# KiCad board AC-K1-v1.kicad_pcb
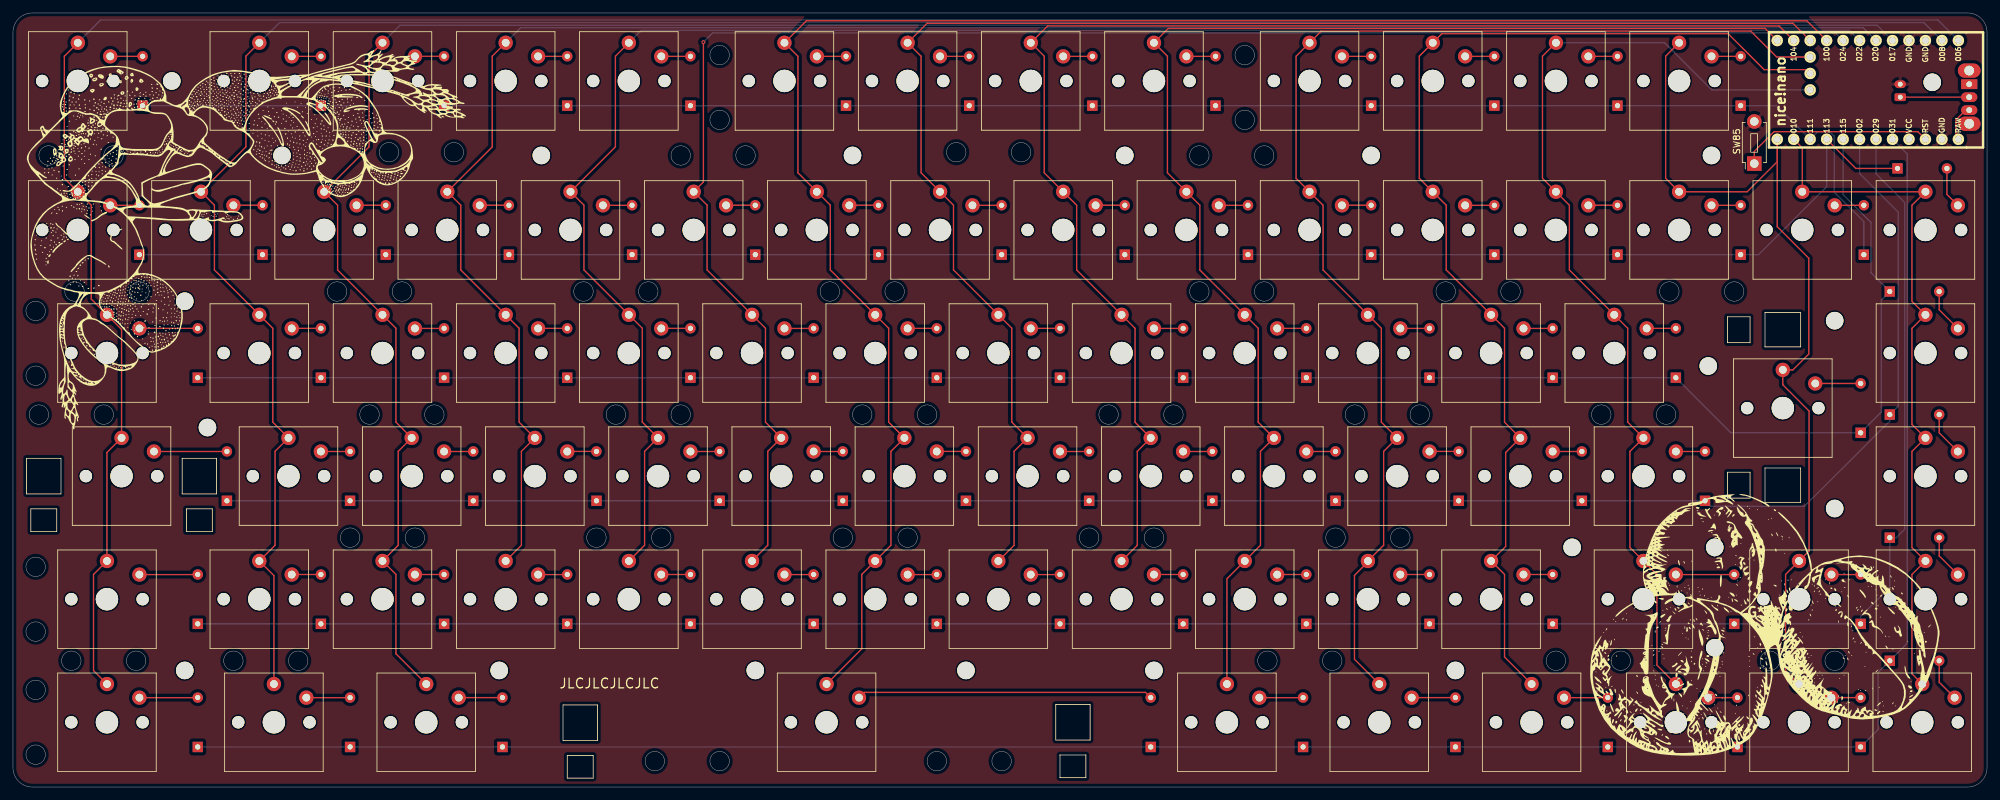
[diagram p0: board, top side]
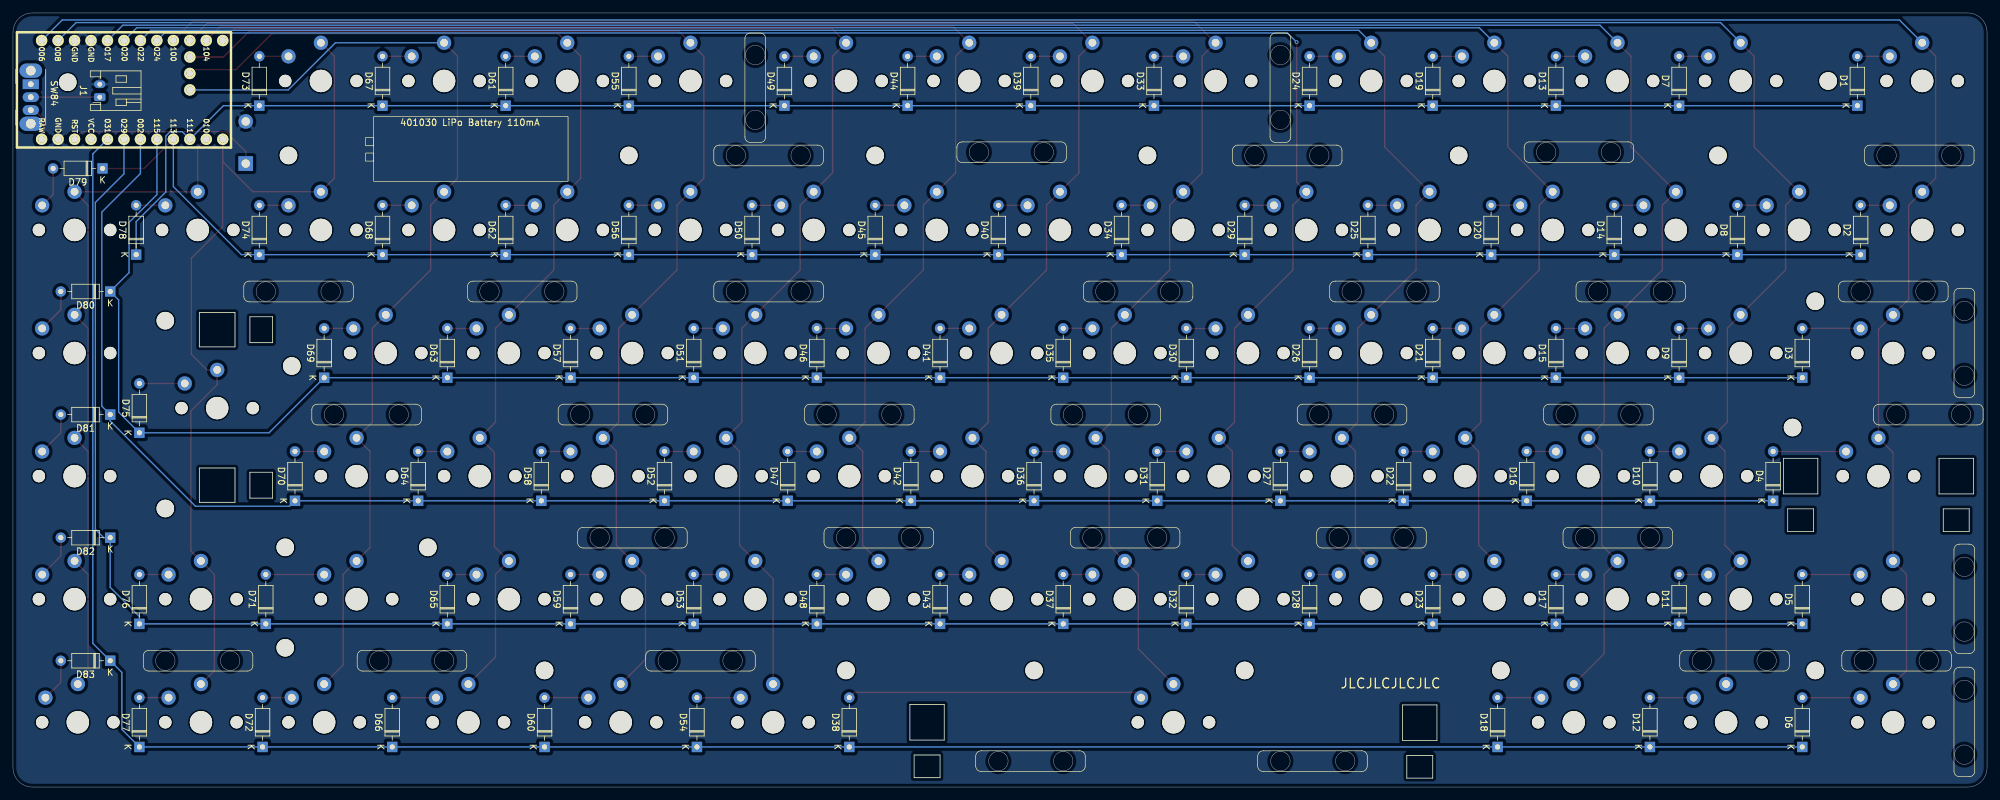
[diagram p1: board, bottom side, seen from below]

Outline 304.5 x 119.5 mm; copper layers: Top, Bottom. Coordinates in mm from the lower left corner of the outline.
Outline path: 0,116.5 0,3 arc(0.88,0.88) 3,0 301.5,0 arc(303.62,0.88) 304.5,3 304.5,116.5 arc(303.62,118.62) 301.5,119.5 3,119.5 arc(0.88,118.62) 0,116.5

## Placement (name value [footprint] x y rotation side)
1  -  [MountingHole_2.7mm_M2.5_with_spacer]  24.5 109 0 top
2  -  [MountingHole_2.7mm_M2.5_with_spacer]  296.05 108.8 0 top
4  -  [MountingHole_2.7mm_M2.5_with_spacer]  41.5 97.5 0 top
5  -  [MountingHole_2.7mm_M2.5_with_spacer]  81.5 97.5 0 top
6  -  [MountingHole_2.7mm_M2.5_with_spacer]  129.5 97.5 0 top
7  -  [MountingHole_2.7mm_M2.5_with_spacer]  171.5 97.5 0 top
8  -  [MountingHole_2.7mm_M2.5_with_spacer]  209.5 97.5 0 top
9  -  [MountingHole_2.7mm_M2.5_with_spacer]  262 97.5 0 top
10  -  [MountingHole_2.7mm_M2.5_with_spacer]  26.5 75 0 top
11  -  [MountingHole_2.7mm_M2.5_with_spacer]  281 72 0 top
13  -  [MountingHole_2.7mm_M2.5_with_spacer]  261.5 65 0 top
14  -  [MountingHole_2.7mm_M2.5_with_spacer]  30 55.5 0 top
15  -  [MountingHole_2.7mm_M2.5_with_spacer]  281 43 0 top
16  -  [MountingHole_2.7mm_M2.5_with_spacer]  240.5 37 0 top
18  -  [MountingHole_2.7mm_M2.5_with_spacer]  262.5 21.5 0 top
19  -  [MountingHole_2.7mm_M2.5_with_spacer]  75 18 0 top
20  -  [MountingHole_2.7mm_M2.5_with_spacer]  114.5 18 0 top
21  -  [MountingHole_2.7mm_M2.5_with_spacer]  147 18 0 top
22  -  [MountingHole_2.7mm_M2.5_with_spacer]  176 18 0 top
23  -  [MountingHole_2.7mm_M2.5_with_spacer]  222.5 18 0 top
27  -  [MountingHole_2.7mm_M2.5_with_spacer]  262.5 37 0 top
50  -  [MountingHole_2.7mm_M2.5_with_spacer]  26.5 18 0 top
Battery1  -  [401030 Lipo Battery Size]  238.88 94 180 bottom
D1  1N4148  [D_DO-35_SOD27_P7.62mm_Horizontal]  20 105.19 90 bottom
D2  1N4148  [D_DO-35_SOD27_P7.62mm_Horizontal]  19.5 82.19 90 bottom
D3  1N4148  [D_DO-35_SOD27_P7.62mm_Horizontal]  28.5 63.19 90 bottom
D4  1N4148  [D_DO-35_SOD27_P7.62mm_Horizontal]  33 44.19 90 bottom
D5  1N4148  [D_DO-35_SOD27_P7.62mm_Horizontal]  28.5 25.19 90 bottom
D6  1N4148  [D_DO-35_SOD27_P7.62mm_Horizontal]  28.5 6.19 90 bottom
D7  1N4148  [D_DO-35_SOD27_P7.62mm_Horizontal]  47.5 105.19 90 bottom
D8  1N4148  [D_DO-35_SOD27_P7.62mm_Horizontal]  38.5 82.19 90 bottom
D9  1N4148  [D_DO-35_SOD27_P7.62mm_Horizontal]  47.5 63.19 90 bottom
D10  1N4148  [D_DO-35_SOD27_P7.62mm_Horizontal]  52 44.19 90 bottom
D11  1N4148  [D_DO-35_SOD27_P7.62mm_Horizontal]  47.5 25.19 90 bottom
D12  1N4148  [D_DO-35_SOD27_P7.62mm_Horizontal]  52 6.19 90 bottom
D13  1N4148  [D_DO-35_SOD27_P7.62mm_Horizontal]  66.5 105.19 90 bottom
D14  1N4148  [D_DO-35_SOD27_P7.62mm_Horizontal]  57.5 82.19 90 bottom
D15  1N4148  [D_DO-35_SOD27_P7.62mm_Horizontal]  66.5 63.19 90 bottom
D16  1N4148  [D_DO-35_SOD27_P7.62mm_Horizontal]  71 44.19 90 bottom
D17  1N4148  [D_DO-35_SOD27_P7.62mm_Horizontal]  66.5 25.19 90 bottom
D18  1N4148  [D_DO-35_SOD27_P7.62mm_Horizontal]  75.5 6.19 90 bottom
D19  1N4148  [D_DO-35_SOD27_P7.62mm_Horizontal]  85.5 105.19 90 bottom
D20  1N4148  [D_DO-35_SOD27_P7.62mm_Horizontal]  76.5 82.19 90 bottom
D21  1N4148  [D_DO-35_SOD27_P7.62mm_Horizontal]  85.5 63.19 90 bottom
D22  1N4148  [D_DO-35_SOD27_P7.62mm_Horizontal]  90 44.19 90 bottom
D23  1N4148  [D_DO-35_SOD27_P7.62mm_Horizontal]  85.5 25.19 90 bottom
D24  1N4148  [D_DO-35_SOD27_P7.62mm_Horizontal]  104.5 105.19 90 bottom
D25  1N4148  [D_DO-35_SOD27_P7.62mm_Horizontal]  95.5 82.19 90 bottom
D26  1N4148  [D_DO-35_SOD27_P7.62mm_Horizontal]  104.5 63.19 90 bottom
D27  1N4148  [D_DO-35_SOD27_P7.62mm_Horizontal]  109 44.19 90 bottom
D28  1N4148  [D_DO-35_SOD27_P7.62mm_Horizontal]  104.5 25.19 90 bottom
D29  1N4148  [D_DO-35_SOD27_P7.62mm_Horizontal]  114.5 82.19 90 bottom
D30  1N4148  [D_DO-35_SOD27_P7.62mm_Horizontal]  123.5 63.19 90 bottom
D31  1N4148  [D_DO-35_SOD27_P7.62mm_Horizontal]  128 44.19 90 bottom
D32  1N4148  [D_DO-35_SOD27_P7.62mm_Horizontal]  123.5 25.19 90 bottom
D33  1N4148  [D_DO-35_SOD27_P7.62mm_Horizontal]  128.5 105.19 90 bottom
D34  1N4148  [D_DO-35_SOD27_P7.62mm_Horizontal]  133.5 82.19 90 bottom
D35  1N4148  [D_DO-35_SOD27_P7.62mm_Horizontal]  142.5 63.19 90 bottom
D36  1N4148  [D_DO-35_SOD27_P7.62mm_Horizontal]  147 44.19 90 bottom
D37  1N4148  [D_DO-35_SOD27_P7.62mm_Horizontal]  142.5 25.19 90 bottom
D38  1N4148  [D_DO-35_SOD27_P7.62mm_Horizontal]  175.5 6.19 90 bottom
D39  1N4148  [D_DO-35_SOD27_P7.62mm_Horizontal]  147.5 105.19 90 bottom
D40  1N4148  [D_DO-35_SOD27_P7.62mm_Horizontal]  152.5 82.19 90 bottom
D41  1N4148  [D_DO-35_SOD27_P7.62mm_Horizontal]  161.5 63.19 90 bottom
D42  1N4148  [D_DO-35_SOD27_P7.62mm_Horizontal]  166 44.19 90 bottom
D43  1N4148  [D_DO-35_SOD27_P7.62mm_Horizontal]  161.5 25.19 90 bottom
D44  1N4148  [D_DO-35_SOD27_P7.62mm_Horizontal]  166.5 105.19 90 bottom
D45  1N4148  [D_DO-35_SOD27_P7.62mm_Horizontal]  171.5 82.19 90 bottom
D46  1N4148  [D_DO-35_SOD27_P7.62mm_Horizontal]  180.5 63.19 90 bottom
D47  1N4148  [D_DO-35_SOD27_P7.62mm_Horizontal]  185 44.19 90 bottom
D48  1N4148  [D_DO-35_SOD27_P7.62mm_Horizontal]  180.5 25.19 90 bottom
D49  1N4148  [D_DO-35_SOD27_P7.62mm_Horizontal]  185.5 105.19 90 bottom
D50  1N4148  [D_DO-35_SOD27_P7.62mm_Horizontal]  190.5 82.19 90 bottom
D51  1N4148  [D_DO-35_SOD27_P7.62mm_Horizontal]  199.5 63.19 90 bottom
D52  1N4148  [D_DO-35_SOD27_P7.62mm_Horizontal]  204 44.19 90 bottom
D53  1N4148  [D_DO-35_SOD27_P7.62mm_Horizontal]  199.5 25.19 90 bottom
D54  1N4148  [D_DO-35_SOD27_P7.62mm_Horizontal]  199 6.19 90 bottom
D55  1N4148  [D_DO-35_SOD27_P7.62mm_Horizontal]  209.5 105.19 90 bottom
D56  1N4148  [D_DO-35_SOD27_P7.62mm_Horizontal]  209.5 82.19 90 bottom
D57  1N4148  [D_DO-35_SOD27_P7.62mm_Horizontal]  218.5 63.19 90 bottom
D58  1N4148  [D_DO-35_SOD27_P7.62mm_Horizontal]  223 44.19 90 bottom
D59  1N4148  [D_DO-35_SOD27_P7.62mm_Horizontal]  218.5 25.19 90 bottom
D60  1N4148  [D_DO-35_SOD27_P7.62mm_Horizontal]  222.5 6.19 90 bottom
D61  1N4148  [D_DO-35_SOD27_P7.62mm_Horizontal]  228.5 105.19 90 bottom
D62  1N4148  [D_DO-35_SOD27_P7.62mm_Horizontal]  228.5 82.19 90 bottom
D63  1N4148  [D_DO-35_SOD27_P7.62mm_Horizontal]  237.5 63.19 90 bottom
D64  1N4148  [D_DO-35_SOD27_P7.62mm_Horizontal]  242 44.19 90 bottom
D65  1N4148  [D_DO-35_SOD27_P7.62mm_Horizontal]  237.5 25.19 90 bottom
D66  1N4148  [D_DO-35_SOD27_P7.62mm_Horizontal]  246 6.19 90 bottom
D67  1N4148  [D_DO-35_SOD27_P7.62mm_Horizontal]  247.5 105.19 90 bottom
D68  1N4148  [D_DO-35_SOD27_P7.62mm_Horizontal]  247.5 82.19 90 bottom
D69  1N4148  [D_DO-35_SOD27_P7.62mm_Horizontal]  256.5 63.19 90 bottom
D70  1N4148  [D_DO-35_SOD27_P7.62mm_Horizontal]  261 44.19 90 bottom
D71  1N4148  [D_DO-35_SOD27_P7.62mm_Horizontal]  265.5 25.19 90 bottom
D72  1N4148  [D_DO-35_SOD27_P7.62mm_Horizontal]  266 6.19 90 bottom
D73  1N4148  [D_DO-35_SOD27_P7.62mm_Horizontal]  266.5 105.19 90 bottom
D74  1N4148  [D_DO-35_SOD27_P7.62mm_Horizontal]  266.5 82.19 90 bottom
D75  1N4148  [D_DO-35_SOD27_P7.62mm_Horizontal]  285 54.69 90 bottom
D76  1N4148  [D_DO-35_SOD27_P7.62mm_Horizontal]  285 25.19 90 bottom
D77  1N4148  [D_DO-35_SOD27_P7.62mm_Horizontal]  285 6.19 90 bottom
D78  1N4148  [D_DO-35_SOD27_P7.62mm_Horizontal]  285.5 82.19 90 bottom
D79  1N4148  [D_DO-35_SOD27_P7.62mm_Horizontal]  290.69 95.5 0 bottom
D80  1N4148  [D_DO-35_SOD27_P7.62mm_Horizontal]  289.5 76.5 0 bottom
D81  1N4148  [D_DO-35_SOD27_P7.62mm_Horizontal]  289.5 57.5 0 bottom
D82  1N4148  [D_DO-35_SOD27_P7.62mm_Horizontal]  289.5 38.5 0 bottom
D83  1N4148  [D_DO-35_SOD27_P7.62mm_Horizontal]  289.5 19.5 0 bottom
G***  LOGO  [LTdrq5kT4-420681957]  36 84.5 0 top
G***#2  LOGO  [pngtree-bread-line-draft-original-black-and-white-creative-line-shape-png-image_6503842-2370987101]  270 27 0 top
J1  BATTERY  [JST_PH_S2B-PH-K_1x02_P2.00mm_Horizontal]  291.11 106.5 90 bottom
REF**  -  [PCB-Support]  39 19.5 180 bottom
REF**#2  -  [PCB-Support]  14 19.5 180 bottom
REF**#3  -  [PCB-Support]  55 76.5 180 bottom
REF**#4  -  [PCB-Support]  3.5 68.5 90 bottom
REF**#5  -  [PCB-Support]  190 108 270 bottom
REF**#6  -  [PCB-Support]  131 76.5 180 bottom
REF**#7  -  [PCB-Support]  57 38.5 180 bottom
REF**#8  -  [PCB-Support]  226 76.5 180 bottom
REF**#9  -  [PCB-Support]  95 38.5 180 bottom
REF**#10  -  [PCB-Support]  60 57.5 180 bottom
REF**#11  -  [PCB-Support]  147.5 4 0 bottom
REF**#12  -  [PCB-Support]  171 38.5 180 bottom
REF**#13  -  [PCB-Support]  9 57.5 0 bottom
REF**#14  -  [PCB-Support]  14.5 76.5 180 bottom
REF**#15  -  [PCB-Support]  10.5 97.5 180 bottom
REF**#16  -  [PCB-Support]  104 4 0 bottom
REF**#17  -  [PCB-Support]  3.5 10 90 bottom
REF**#18  -  [PCB-Support]  109 108 270 bottom
REF**#19  -  [PCB-Support]  108 97.5 180 bottom
REF**#20  -  [PCB-Support]  276 19.5 180 bottom
REF**#21  -  [PCB-Support]  93 76.5 180 bottom
REF**#22  -  [PCB-Support]  209 38.5 180 bottom
REF**#23  -  [PCB-Support]  3.5 29 90 bottom
REF**#24  -  [PCB-Support]  136 57.5 180 bottom
REF**#25  -  [PCB-Support]  188 97.5 180 bottom
REF**#26  -  [PCB-Support]  63 98 180 bottom
REF**#27  -  [PCB-Support]  174 57.5 180 bottom
REF**#28  -  [PCB-Support]  133 38.5 180 bottom
REF**#29  -  [PCB-Support]  150.5 98 180 bottom
REF**#30  -  [PCB-Support]  243 19.5 180 bottom
REF**#31  -  [PCB-Support]  250 57.5 180 bottom
REF**#32  -  [PCB-Support]  98 57.5 180 bottom
REF**#33  -  [PCB-Support]  198.5 19.5 180 bottom
REF**#34  -  [PCB-Support]  260.5 76.5 180 bottom
REF**#35  -  [PCB-Support]  212 57.5 180 bottom
REF**#36  -  [PCB-Support]  188 76.5 180 bottom
SW1  ESC  [SW_Kailh_Choc_V1_1.00u_Spacing]  10 109 0 top
SW2  GRAVE  [SW_Kailh_Choc_V1_1.00u_Spacing]  10 86 0 top
SW3  TAB  [SW_Kailh_Choc_V1_1.50u_Spacing]  14.5 67 0 top
SW4  LCTRL  [SW_Kailh_Choc_V1_1.75u_Spacing]  16.75 48 0 top
SW5  LSHIFT  [SW_Kailh_Choc_V1_1.50u_Spacing]  14.5 29 0 top
SW6  LCTRL  [SW_Kailh_Choc_V1_1.50u_Spacing]  14.5 10 0 top
SW7  F1  [SW_Kailh_Choc_V1_1.00u_Spacing]  38 109 0 top
SW8  1  [SW_Kailh_Choc_V1_1.00u_Spacing]  29 86 0 top
SW9  Q  [SW_Kailh_Choc_V1_1.00u_Spacing]  38 67 0 top
SW10  A  [SW_Kailh_Choc_V1_1.00u_Spacing]  42.5 48 0 top
SW11  BSLH  [SW_Kailh_Choc_V1_1.00u_Spacing]  38 29 0 top
SW12  LCMD  [SW_Kailh_Choc_V1_1.25u_Spacing]  40.25 10 0 top
SW13  F2  [SW_Kailh_Choc_V1_1.00u_Spacing]  57 109 0 top
SW14  2  [SW_Kailh_Choc_V1_1.00u_Spacing]  48 86 0 top
SW15  W  [SW_Kailh_Choc_V1_1.00u_Spacing]  57 67 0 top
SW16  S  [SW_Kailh_Choc_V1_1.00u_Spacing]  61.5 48 0 top
SW17  Z  [SW_Kailh_Choc_V1_1.00u_Spacing]  57 29 0 top
SW18  LALT  [SW_Kailh_Choc_V1_1.25u_Spacing]  63.75 10 0 top
SW19  F3  [SW_Kailh_Choc_V1_1.00u_Spacing]  76 109 0 top
SW20  3  [SW_Kailh_Choc_V1_1.00u_Spacing]  67 86 0 top
SW21  E  [SW_Kailh_Choc_V1_1.00u_Spacing]  76 67 0 top
SW22  D  [SW_Kailh_Choc_V1_1.00u_Spacing]  80.5 48 0 top
SW23  X  [SW_Kailh_Choc_V1_1.00u_Spacing]  76 29 0 top
SW24  F4  [SW_Kailh_Choc_V1_1.00u_Spacing]  95 109 0 top
SW25  4  [SW_Kailh_Choc_V1_1.00u_Spacing]  86 86 0 top
SW26  R  [SW_Kailh_Choc_V1_1.00u_Spacing]  95 67 0 top
SW27  F  [SW_Kailh_Choc_V1_1.00u_Spacing]  99.5 48 0 top
SW28  C  [SW_Kailh_Choc_V1_1.00u_Spacing]  95 29 0 top
SW29  5  [SW_Kailh_Choc_V1_1.00u_Spacing]  105 86 0 top
SW30  T  [SW_Kailh_Choc_V1_1.00u_Spacing]  114 67 0 top
SW31  G  [SW_Kailh_Choc_V1_1.00u_Spacing]  118.5 48 0 top
SW32  V  [SW_Kailh_Choc_V1_1.00u_Spacing]  114 29 0 top
SW33  F5  [SW_Kailh_Choc_V1_1.00u_Spacing]  119 109 0 top
SW34  6  [SW_Kailh_Choc_V1_1.00u_Spacing]  124 86 0 top
SW35  Y  [SW_Kailh_Choc_V1_1.00u_Spacing]  133 67 0 top
SW36  H  [SW_Kailh_Choc_V1_1.00u_Spacing]  137.5 48 0 top
SW37  B  [SW_Kailh_Choc_V1_1.00u_Spacing]  133 29 0 top
SW38  SPACE  [SW_Kailh_Choc_V1_5.50u_Spacing]  125.5 10 0 top
SW39  F6  [SW_Kailh_Choc_V1_1.00u_Spacing]  138 109 0 top
SW40  7  [SW_Kailh_Choc_V1_1.00u_Spacing]  143 86 0 top
SW41  U  [SW_Kailh_Choc_V1_1.00u_Spacing]  152 67 0 top
SW42  J  [SW_Kailh_Choc_V1_1.00u_Spacing]  156.5 48 0 top
SW43  N  [SW_Kailh_Choc_V1_1.00u_Spacing]  152 29 0 top
SW44  F7  [SW_Kailh_Choc_V1_1.00u_Spacing]  157 109 0 top
SW45  8  [SW_Kailh_Choc_V1_1.00u_Spacing]  162 86 0 top
SW46  I  [SW_Kailh_Choc_V1_1.00u_Spacing]  171 67 0 top
SW47  K  [SW_Kailh_Choc_V1_1.00u_Spacing]  175.5 48 0 top
SW48  M  [SW_Kailh_Choc_V1_1.00u_Spacing]  171 29 0 top
SW49  F8  [SW_Kailh_Choc_V1_1.00u_Spacing]  176 109 0 top
SW50  9  [SW_Kailh_Choc_V1_1.00u_Spacing]  181 86 0 top
SW51  O  [SW_Kailh_Choc_V1_1.00u_Spacing]  190 67 0 top
SW52  L  [SW_Kailh_Choc_V1_1.00u_Spacing]  194.5 48 0 top
SW53  COMMA  [SW_Kailh_Choc_V1_1.00u_Spacing]  190 29 0 top
SW54  RALT  [SW_Kailh_Choc_V1_1.25u_Spacing]  187.25 10 0 top
SW55  F9  [SW_Kailh_Choc_V1_1.00u_Spacing]  200 109 0 top
SW56  0  [SW_Kailh_Choc_V1_1.00u_Spacing]  200 86 0 top
SW57  P  [SW_Kailh_Choc_V1_1.00u_Spacing]  209 67 0 top
SW58  SEMI  [SW_Kailh_Choc_V1_1.00u_Spacing]  213.5 48 0 top
SW59  DOT  [SW_Kailh_Choc_V1_1.00u_Spacing]  209 29 0 top
SW60  FN  [SW_Kailh_Choc_V1_1.25u_Spacing]  210.75 10 0 top
SW61  F10  [SW_Kailh_Choc_V1_1.00u_Spacing]  219 109 0 top
SW62  MINUS  [SW_Kailh_Choc_V1_1.00u_Spacing]  219 86 0 top
SW63  LBKT  [SW_Kailh_Choc_V1_1.00u_Spacing]  228 67 0 top
SW64  SQT  [SW_Kailh_Choc_V1_1.00u_Spacing]  232.5 48 0 top
SW65  FSLH  [SW_Kailh_Choc_V1_1.00u_Spacing]  228 29 0 top
SW66  RCTRL  [SW_Kailh_Choc_V1_1.25u_Spacing]  234.25 10 0 top
SW67  F11  [SW_Kailh_Choc_V1_1.00u_Spacing]  238 109 0 top
SW68  EQUAL  [SW_Kailh_Choc_V1_1.00u_Spacing]  238 86 0 top
SW69  RBKT  [SW_Kailh_Choc_V1_1.00u_Spacing]  247 67 0 top
SW70  NUHS  [SW_Kailh_Choc_V1_1.00u_Spacing]  251.5 48 0 top
SW71  RSHFT  [SW_Kailh_Choc_V1_1.50u_Spacing]  251.5 29 0 top
SW72  LEFT  [SW_Kailh_Choc_V1_1.00u_Spacing]  256.5 10 0 top
SW73  F12  [SW_Kailh_Choc_V1_1.00u_Spacing]  257 109 0 top
SW74  BSPC  [SW_Kailh_Choc_V1_1.00u_Spacing]  257 86 0 top
SW75  ENTER  [SW_Kailh_Choc_V1_ISOEnter_Spacing]  273 58.5 0 top
SW76  UP  [SW_Kailh_Choc_V1_1.00u_Spacing]  275.5 29 0 top
SW77  DOWN  [SW_Kailh_Choc_V1_1.00u_Spacing]  275.5 10 0 top
SW78  DEL  [SW_Kailh_Choc_V1_1.00u_Spacing]  276 86 0 top
SW79  HOME  [SW_Kailh_Choc_V1_1.00u_Spacing]  295 86 0 top
SW80  PG_UP  [SW_Kailh_Choc_V1_1.00u_Spacing]  295 67 0 top
SW81  PG_DN  [SW_Kailh_Choc_V1_1.00u_Spacing]  295 48 0 top
SW82  END  [SW_Kailh_Choc_V1_1.00u_Spacing]  295 29 0 top
SW83  RIGHT  [SW_Kailh_Choc_V1_1.00u_Spacing]  294.5 10 0 top
SW84  POWER  [SW_Slide_SPDT_Angled_CK_OS102011MA1Q]  301.75 108.5 270 bottom
SW85  RESET  [SW_PUSH_1P1T_6x3.5mm_H4.3_APEM_MJTP1243]  268.6 96.25 90 top
U1  -  [nice_nano]  286.11 107.62 180 top

## Library data of the parts
D1-D83 = -: Datasheet: https://assets.nexperia.com/documents/data-sheet/1N4148_1N4448.pdf; Description: 100V 0.15A standard switching diode, DO-35; Sim.Device: D; Sim.Pins: 1=K 2=A; ki_fp_filters: D*DO?35*
J1 = -: Datasheet: S2B-PH-K-SLFSN; ki_fp_filters: CONN_S2B-PH-K-S_JST
SW1-SW83 SW85 = -: Description: Push button switch, generic, two pins
SW84 = -: Description: Switch, single pole double throw

## Footprints (pads in the part's own frame, mm; a bottom-side part is the same pattern mirrored in y, then rotated)
D_DO-35_SOD27_P7.62mm_Horizontal
  rect 1.6x1.6 hole 0.8: 1(0,0)
  oval 1.6x1.6 hole 0.8: 2(7.62,0)
JST_PH_S2B-PH-K_1x02_P2.00mm_Horizontal
  rrect 1.2x1.75 hole 0.75: 1(0,0)
  oval 1.2x1.75 hole 0.75: 2(2,0)
MountingHole_2.7mm_M2.5_with_spacer
  round 2.7 hole 2.7 unplated: (0,0)
nice_nano
  round 1.753 hole 1.092: 1(-13.97,-7.62) 2(-11.43,-7.62) 3(-8.89,-7.62) 4(-6.35,-7.62) 5(-3.81,-7.62) 6(-1.27,-7.62) 7(1.27,-7.62) 8(3.81,-7.62) 9(6.35,-7.62) 10(8.89,-7.62) 11(11.43,-7.62) 12(13.97,-7.62) 13(13.97,7.62) 14(11.43,7.62) 15(8.89,7.62) 16(6.35,7.62) 17(3.81,7.62) 18(1.27,7.62) 19(-1.27,7.62) 20(-3.81,7.62) 21(-6.35,7.62) 22(-8.89,7.62) 23(-11.43,7.62) 24(-13.97,7.62) 31(8.89,-5.08) 32(8.89,-2.54) 33(8.89,0)
SW_Kailh_Choc_V1_1.00u_Spacing
  round 1.9 hole 1.9 unplated: (-5.5,0) (5.5,0)
  round 3.45 hole 3.45 unplated: (0,0)
  round 2.2 hole 1.2: 1(0,5.9) 2(5,3.8)
SW_Kailh_Choc_V1_1.25u_Spacing
  round 1.9 hole 1.9 unplated: (-5.5,0) (5.5,0)
  round 3.45 hole 3.45 unplated: (0,0)
  round 2.2 hole 1.2: 1(0,5.9) 2(5,3.8)
SW_Kailh_Choc_V1_1.50u_Spacing
  round 1.9 hole 1.9 unplated: (-5.5,0) (5.5,0)
  round 3.45 hole 3.45 unplated: (0,0)
  round 2.2 hole 1.2: 1(0,5.9) 2(5,3.8)
SW_Kailh_Choc_V1_1.75u_Spacing
  round 1.9 hole 1.9 unplated: (-5.5,0) (5.5,0)
  round 3.45 hole 3.45 unplated: (0,0)
  round 2.2 hole 1.2: 1(0,5.9) 2(5,3.8)
SW_Kailh_Choc_V1_5.50u_Spacing
  round 1.9 hole 1.9 unplated: (-5.5,0) (5.5,0)
  round 3.45 hole 3.45 unplated: (0,0)
  round 2.2 hole 1.2: 1(0,5.9) 2(5,3.8)
SW_Kailh_Choc_V1_ISOEnter_Spacing
  round 1.9 hole 1.9 unplated: (-5.5,0) (5.5,0)
  round 3.45 hole 3.45 unplated: (0,0)
  round 2.2 hole 1.2: 1(0,5.9) 2(5,3.8)
SW_PUSH_1P1T_6x3.5mm_H4.3_APEM_MJTP1243
  rect 2.25x2.25 hole 1.3: 1(0,0)
  round 2.25 hole 1.3: 2(6.5,0)
SW_Slide_SPDT_Angled_CK_OS102011MA1Q
  oval 2.2x3.5 hole 1.5: (-2.1,0) (6.1,0)
  rect 1.5x2.5 hole 0.9: 1(0,0)
  oval 1.5x2.5 hole 0.9: 2(2,0) 3(4,0)

## Nets
GND: J1.2 SW85.2 U1.3 U1.4 U1.23
BATIN: SW84.3 U1.24
P0.02: D4.1 D10.1 D16.1 D22.1 D27.1 D31.1 D36.1 D42.1 D47.1 D52.1 D58.1 D64.1 D70.1 D81.1 U1.18
P0.06: SW1.1 SW2.1 SW3.1 SW4.1 SW5.1 SW6.1 U1.1
P0.08: SW7.1 SW8.1 SW9.1 SW10.1 SW11.1 SW12.1 U1.2
P0.09: SW73.1 SW74.1 SW75.1 SW76.1 SW77.1 U1.13
P0.10: SW78.1 SW79.1 SW80.1 SW81.1 SW82.1 SW83.1 U1.14
P0.11: SW39.1 SW40.1 SW41.1 SW42.1 SW43.1 U1.10
P0.17: SW13.1 SW14.1 SW15.1 SW16.1 SW17.1 SW18.1 U1.5
P0.20: SW19.1 SW20.1 SW21.1 SW22.1 SW23.1 U1.6
P0.22: SW24.1 SW25.1 SW26.1 SW27.1 SW28.1 U1.7
P0.24: SW29.1 SW30.1 SW31.1 SW32.1 U1.8
P0.29: D5.1 D11.1 D17.1 D23.1 D28.1 D32.1 D37.1 D43.1 D48.1 D53.1 D59.1 D65.1 D71.1 D76.1 D82.1 U1.19
P0.31: D6.1 D12.1 D18.1 D38.1 D54.1 D60.1 D66.1 D72.1 D77.1 D83.1 U1.20
P1.00: SW33.1 SW34.1 SW35.1 SW36.1 SW37.1 SW38.1 U1.9
P1.01: SW55.1 SW56.1 SW57.1 SW58.1 SW59.1 SW60.1 U1.31
P1.02: SW61.1 SW62.1 SW63.1 SW64.1 SW65.1 SW66.1 U1.32
P1.04: SW44.1 SW45.1 SW46.1 SW47.1 SW48.1 U1.11
P1.06: SW49.1 SW50.1 SW51.1 SW52.1 SW53.1 SW54.1 U1.12
P1.07: SW67.1 SW68.1 SW69.1 SW70.1 SW71.1 SW72.1 U1.33
P1.11: D1.1 D7.1 D13.1 D19.1 D24.1 D33.1 D39.1 D44.1 D49.1 D55.1 D61.1 D67.1 D73.1 D78.1 U1.15
P1.13: D2.1 D8.1 D14.1 D20.1 D25.1 D29.1 D34.1 D40.1 D45.1 D50.1 D56.1 D62.1 D68.1 D74.1 D79.1 U1.16
P1.15: D3.1 D9.1 D15.1 D21.1 D26.1 D30.1 D35.1 D41.1 D46.1 D51.1 D57.1 D63.1 D69.1 D75.1 D80.1 U1.17
RESET: SW85.1 U1.22
Net-(D1-A): D1.2 SW1.2
Net-(D2-A): D2.2 SW2.2
Net-(D3-A): D3.2 SW3.2
Net-(D4-A): D4.2 SW4.2
Net-(D5-A): D5.2 SW5.2
Net-(D6-A): D6.2 SW6.2
Net-(D7-A): D7.2 SW7.2
Net-(D8-A): D8.2 SW8.2
Net-(D9-A): D9.2 SW9.2
Net-(D10-A): D10.2 SW10.2
Net-(D11-A): D11.2 SW11.2
Net-(D12-A): D12.2 SW12.2
Net-(D13-A): D13.2 SW13.2
Net-(D14-A): D14.2 SW14.2
Net-(D15-A): D15.2 SW15.2
Net-(D16-A): D16.2 SW16.2
Net-(D17-A): D17.2 SW17.2
Net-(D18-A): D18.2 SW18.2
Net-(D19-A): D19.2 SW19.2
Net-(D20-A): D20.2 SW20.2
Net-(D21-A): D21.2 SW21.2
Net-(D22-A): D22.2 SW22.2
Net-(D23-A): D23.2 SW23.2
Net-(D24-A): D24.2 SW24.2
Net-(D25-A): D25.2 SW25.2
Net-(D26-A): D26.2 SW26.2
Net-(D27-A): D27.2 SW27.2
Net-(D28-A): D28.2 SW28.2
Net-(D29-A): D29.2 SW29.2
Net-(D30-A): D30.2 SW30.2
Net-(D31-A): D31.2 SW31.2
Net-(D32-A): D32.2 SW32.2
Net-(D33-A): D33.2 SW33.2
Net-(D34-A): D34.2 SW34.2
Net-(D35-A): D35.2 SW35.2
Net-(D36-A): D36.2 SW36.2
Net-(D37-A): D37.2 SW37.2
Net-(D38-A): D38.2 SW38.2
Net-(D39-A): D39.2 SW39.2
Net-(D40-A): D40.2 SW40.2
Net-(D41-A): D41.2 SW41.2
Net-(D42-A): D42.2 SW42.2
Net-(D43-A): D43.2 SW43.2
Net-(D44-A): D44.2 SW44.2
Net-(D45-A): D45.2 SW45.2
Net-(D46-A): D46.2 SW46.2
Net-(D47-A): D47.2 SW47.2
Net-(D48-A): D48.2 SW48.2
Net-(D49-A): D49.2 SW49.2
Net-(D50-A): D50.2 SW50.2
Net-(D51-A): D51.2 SW51.2
Net-(D52-A): D52.2 SW52.2
Net-(D53-A): D53.2 SW53.2
Net-(D54-A): D54.2 SW54.2
Net-(D55-A): D55.2 SW55.2
Net-(D56-A): D56.2 SW56.2
Net-(D57-A): D57.2 SW57.2
Net-(D58-A): D58.2 SW58.2
Net-(D59-A): D59.2 SW59.2
Net-(D60-A): D60.2 SW60.2
Net-(D61-A): D61.2 SW61.2
Net-(D62-A): D62.2 SW62.2
Net-(D63-A): D63.2 SW63.2
Net-(D64-A): D64.2 SW64.2
Net-(D65-A): D65.2 SW65.2
Net-(D66-A): D66.2 SW66.2
Net-(D67-A): D67.2 SW67.2
Net-(D68-A): D68.2 SW68.2
Net-(D69-A): D69.2 SW69.2
Net-(D70-A): D70.2 SW70.2
Net-(D71-A): D71.2 SW71.2
Net-(D72-A): D72.2 SW72.2
Net-(D73-A): D73.2 SW73.2
Net-(D74-A): D74.2 SW74.2
Net-(D75-A): D75.2 SW75.2
Net-(D76-A): D76.2 SW76.2
Net-(D77-A): D77.2 SW77.2
Net-(D78-A): D78.2 SW78.2
Net-(D79-A): D79.2 SW79.2
Net-(D80-A): D80.2 SW80.2
Net-(D81-A): D81.2 SW81.2
Net-(D82-A): D82.2 SW82.2
Net-(D83-A): D83.2 SW83.2
Net-(SW84-B): J1.1 SW84.2

Pads without a net: SW84 1; U1 21

## Via types
v1: diameter 0.6, hole 0.3, Top to Bottom, 1 via

## Routing (per net, layer and track width the routed paths; a pad name or vN(x,y) marks a point on that pad's centre or on a via; arc(x,y) is an arc through that point)
BATIN: length 5.8
  Top w0.2: SW84.3 301.22,104.5 299.7,102.98 299.7,100.38 U1.24
P0.02: length 308.8
  Bottom w0.2: U1.18 284.84,94.71 290.8,88.75 290.8,58.8 D81.1 289.5,56.5 276.35,43.35 261.84,43.35 D70.1 D64.1 D58.1 D52.1 D47.1 D42.1 D36.1 D31.1 D27.1 D22.1 D16.1 D10.1 D4.1
P0.06: length 399
  Top w0.2: SW1.1 7.92,112.83 7.92,93.97 SW2.1 12.08,89.83 12.08,75.33 SW3.1 16.75,70.65 SW4.1 14.5,51.65 SW5.1 12.42,32.82 12.42,17.97 SW6.1
  Bottom w0.2: U1.1 296.9,118.42 13.52,118.42 SW1.1
P0.08: length 373.1
  Top w0.2: SW12.1 40.25,32.65 SW11.1 40.42,37.32 40.42,51.82 SW10.1 40.08,56.32 40.08,70.83 SW9.1 31.08,79.83 31.08,89.83 SW8.1 35.92,98.83 35.92,112.83 SW7.1
  Bottom w0.2: U1.2 294.76,118.02 41.12,118.02 SW7.1
P0.09: length 138
  Top w0.2: SW77.1 273.43,17.97 273.43,32.82 SW76.1 277.05,36.45 277.05,58.05 273,62.1 SW75.1 274.56,64.4 277,66.84 277,81.64 272.14,86.5 U1.13 272.14,96.54 267.5,91.9 SW74.1 254.93,93.97 254.93,112.83 SW73.1
P0.10: length 110.3
  Top w0.2: U1.14 276,98.68 SW78.1 SW79.1 292.93,89.83 292.93,74.97 SW80.1 292.93,70.83 292.93,55.97 SW81.1 292.93,51.82 292.93,36.97 SW82.1 292.93,32.82 292.93,17.47 SW83.1
P0.11: length 231.1
  Top w0.2: SW43.1 154.43,37.32 154.43,51.82 SW42.1 154.07,56.32 154.07,70.83 SW41.1 145.07,79.83 145.07,89.83 SW40.1 140.07,94.83 140.07,112.83 SW39.1 141,117.9 274.56,117.9 U1.10
P0.17: length 348
  Top w0.2: SW13.1 54.92,112.83 54.92,98.83 SW14.1 50.08,89.83 50.08,79.83 SW15.1 59.08,70.83 59.08,56.32 SW16.1 59.42,51.82 59.42,37.32 SW17.1 59.08,32.82 59.08,20.57 SW18.1
  Bottom w0.2: U1.5 287.54,117.62 59.72,117.62 SW13.1
P0.20: length 304.3
  Top w0.2: SW23.1 78.43,37.32 78.43,51.82 SW22.1 78.07,56.32 78.07,70.83 SW21.1 69.07,79.83 69.07,89.83 SW20.1 73.93,98.83 73.93,112.83 SW19.1
  Bottom w0.2: U1.6 285.4,117.22 78.32,117.22 SW19.1
P0.22: length 282.5
  Top w0.2: SW24.1 92.93,112.83 92.93,98.83 SW25.1 88.07,89.83 88.07,79.83 SW26.1 97.07,70.83 97.07,56.32 SW27.1 97.43,51.82 97.43,37.32 SW28.1
  Bottom w0.2: SW24.1 96.92,116.82 283.26,116.82 U1.7
P0.24: length 265.1
  Top w0.2: v1(106.5,115) 106.5,93.4 SW29.1 107.07,89.83 107.07,79.83 SW30.1 116.07,70.83 116.07,56.32 SW31.1 116.43,51.82 116.43,37.32 SW32.1
  Bottom w0.2: U1.8 281.12,116.42 107.92,116.42 v1(106.5,115)
P0.29: length 336.5
  Bottom w0.2: D5.1 D11.1 D17.1 D23.1 D28.1 D32.1 D37.1 D43.1 D48.1 D53.1 D59.1 D65.1 D71.1 D76.1 285,26.34 289.5,30.84 D82.1 290.5,38.5 291.79,39.79 291.79,90.25 287.38,94.66 U1.19
P0.31: length 354.2
  Bottom w0.2: D6.1 D12.1 D18.1 D38.1 D54.1 D60.1 D66.1 D72.1 D77.1 287.7,8.89 287.7,17.7 D83.1 292.19,22.19 292.19,97.73 U1.20
P1.00: length 275.1
  Top w0.2: SW38.1 130.93,21.32 130.93,32.82 SW37.1 135.43,37.32 135.43,51.82 SW36.1 135.07,56.32 135.07,70.83 SW35.1 126.07,79.83 126.07,89.83 SW34.1 121.07,94.83 121.07,112.83 SW33.1 122.4,118.3 276.7,118.3 U1.9
P1.01: length 190.2
  Top w0.2: SW60.1 206.93,19.72 206.93,32.68 209,34.75 SW59.1 211.43,37.32 211.43,51.82 SW58.1 211.07,56.32 211.07,70.83 SW57.1 202.07,79.83 202.07,89.83 SW56.1 197.93,93.97 197.93,112.83 SW55.1 201.8,116.7 268.05,116.7 272.05,112.7 U1.31
P1.02: length 172.1
  Top w0.2: SW66.1 230.07,20.07 230.07,32.82 SW65.1 230.25,37.15 230.25,51.65 SW64.1 230.07,56.32 230.07,70.83 SW63.1 221.07,79.83 221.07,89.83 SW62.1 216.93,93.97 216.93,112.83 SW61.1 220.4,116.3 264.57,116.3 270.12,110.75 276.63,110.75 U1.32
P1.04: length 209.2
  Top w0.2: U1.11 272.42,117.5 159.6,117.5 SW44.1 159.07,112.83 159.07,94.83 SW45.1 164.07,89.83 164.07,79.83 SW46.1 173.07,70.83 173.07,56.32 SW47.1 173.43,51.82 173.43,37.32 SW48.1
P1.06: length 207.5
  Top w0.2: U1.12 270.28,117.1 178.2,117.1 SW49.1 178.07,112.83 178.07,94.83 SW50.1 183.07,89.83 183.07,79.83 SW51.1 192.07,70.83 192.07,56.32 SW52.1 192.43,51.82 192.43,37.32 SW53.1 187.25,32.15 SW54.1
P1.07: length 152.3
  Top w0.2: SW72.1 253.57,18.82 253.57,32.82 SW71.1 249.43,36.97 249.43,51.82 SW70.1 249.07,56.32 249.07,70.83 SW69.1 240.07,79.83 240.07,89.83 SW68.1 235.93,93.97 235.93,112.83 SW67.1
  Bottom w0.2: SW67.1 254.76,114.9 262.04,107.62 U1.33
P1.11: length 284
  Bottom w0.2: D1.1 D7.1 D13.1 D19.1 D24.1 D33.1 D39.1 D44.1 D49.1 D55.1 D61.1 D67.1 D73.1 272.03,105.19 U1.15 278.4,101.18 280.25,101.18 280.94,100.49 280.94,91.84 285.5,87.28 D78.1
P1.13: length 284.7
  Top w0.2: U1.16 284.26,95.5 D79.1
  Bottom w0.2: U1.16 279.76,92.69 269.26,82.19 D74.1 D68.1 D62.1 D56.1 D50.1 D45.1 D40.1 D34.1 D29.1 D25.1 D20.1 D14.1 D8.1 D2.1
P1.15: length 310.2
  Bottom w0.2: D3.1 D9.1 D15.1 D21.1 D26.1 D30.1 D35.1 D41.1 D46.1 D51.1 D57.1 D63.1 D69.1 265,54.69 D75.1 288.2,57.89 288.2,75.2 D80.1 286.6,79.4 286.6,87.15 282.3,91.45 U1.17
RESET: length 30
  Top w0.2: U1.22 293.82,101.18 271.65,101.18 268.6,98.12 SW85.1
Net-(D1-A): length 5
  Top w0.2: D1.2 19.99,112.8 SW1.2
Net-(D2-A): length 4.5
  Top w0.2: D2.2 19.49,89.8 SW2.2
Net-(D3-A): length 9
  Top w0.2: D3.2 19.51,70.81 SW3.2
Net-(D4-A): length 11.3
  Top w0.2: SW4.2 32.99,51.8 D4.2
Net-(D5-A): length 9
  Top w0.2: SW5.2 28.49,32.8 D5.2
Net-(D6-A): length 9
  Top w0.2: D6.2 28.49,13.8 SW6.2
Net-(D7-A): length 4.5
  Top w0.2: SW7.2 47.49,112.8 D7.2
Net-(D8-A): length 4.5
  Top w0.2: D8.2 34.01,89.81 SW8.2
Net-(D9-A): length 4.5
  Top w0.2: D9.2 43.01,70.81 SW9.2
Net-(D10-A): length 4.5
  Top w0.2: D10.2 51.99,51.8 SW10.2
Net-(D11-A): length 4.5
  Top w0.2: D11.2 43.01,32.81 SW11.2
Net-(D12-A): length 6.8
  Top w0.2: D12.2 51.99,13.8 SW12.2
Net-(D13-A): length 4.5
  Top w0.2: D13.2 62.01,112.81 SW13.2
Net-(D14-A): length 4.5
  Top w0.2: SW14.2 53.01,89.81 D14.2
Net-(D15-A): length 4.5
  Top w0.2: SW15.2 66.49,70.8 D15.2
Net-(D16-A): length 4.5
  Top w0.2: SW16.2 70.99,51.8 D16.2
Net-(D17-A): length 4.5
  Top w0.2: SW17.2 62.01,32.81 D17.2
Net-(D18-A): length 6.8
  Top w0.2: SW18.2 68.76,13.81 D18.2
Net-(D19-A): length 4.5
  Top w0.2: SW19.2 85.49,112.8 D19.2
Net-(D20-A): length 4.5
  Top w0.2: SW20.2 72.01,89.81 D20.2
Net-(D21-A): length 4.5
  Top w0.2: SW21.2 81.01,70.81 D21.2
Net-(D22-A): length 4.5
  Top w0.2: D22.2 85.51,51.81 SW22.2
Net-(D23-A): length 4.5
  Top w0.2: SW23.2 85.49,32.8 D23.2
Net-(D24-A): length 4.5
  Top w0.2: D24.2 104.49,112.8 SW24.2
Net-(D25-A): length 4.5
  Top w0.2: D25.2 95.49,89.8 SW25.2
Net-(D26-A): length 4.5
  Top w0.2: D26.2 100.01,70.81 SW26.2
Net-(D27-A): length 4.5
  Top w0.2: SW27.2 108.99,51.8 D27.2
Net-(D28-A): length 4.5
  Top w0.2: SW28.2 100.01,32.81 D28.2
Net-(D29-A): length 4.5
  Top w0.2: D29.2 110.01,89.81 SW29.2
Net-(D30-A): length 4.5
  Top w0.2: SW30.2 123.49,70.8 D30.2
Net-(D31-A): length 4.5
  Top w0.2: D31.2 127.99,51.8 SW31.2
Net-(D32-A): length 4.5
  Top w0.2: D32.2 123.49,32.8 SW32.2
Net-(D33-A): length 4.5
  Top w0.2: SW33.2 128.49,112.8 D33.2
Net-(D34-A): length 4.5
  Top w0.2: SW34.2 129.01,89.81 D34.2
Net-(D35-A): length 4.5
  Top w0.2: D35.2 138.01,70.81 SW35.2
Net-(D36-A): length 4.5
  Top w0.2: D36.2 142.51,51.81 SW36.2
Net-(D37-A): length 4.5
  Top w0.2: D37.2 142.49,32.8 SW37.2
Net-(D38-A): length 45.7
  Top w0.2: SW38.2 131.31,14.61 174.7,14.61 D38.2
Net-(D39-A): length 4.5
  Top w0.2: SW39.2 147.49,112.8 D39.2
Net-(D40-A): length 4.5
  Top w0.2: SW40.2 152.49,89.8 D40.2
Net-(D41-A): length 4.5
  Top w0.2: SW41.2 157.01,70.81 D41.2
Net-(D42-A): length 4.5
  Top w0.2: SW42.2 165.99,51.8 D42.2
Net-(D43-A): length 4.5
  Top w0.2: SW43.2 161.49,32.8 D43.2
Net-(D44-A): length 4.5
  Top w0.2: SW44.2 166.49,112.8 D44.2
Net-(D45-A): length 4.5
  Top w0.2: SW45.2 167.01,89.81 D45.2
Net-(D46-A): length 4.5
  Top w0.2: SW46.2 180.49,70.8 D46.2
Net-(D47-A): length 4.5
  Top w0.2: D47.2 184.99,51.8 SW47.2
Net-(D48-A): length 4.5
  Top w0.2: SW48.2 176.01,32.81 D48.2
Net-(D49-A): length 4.5
  Top w0.2: SW49.2 185.49,112.8 D49.2
Net-(D50-A): length 4.5
  Top w0.2: SW50.2 190.49,89.8 D50.2
Net-(D51-A): length 4.5
  Top w0.2: SW51.2 195.01,70.81 D51.2
Net-(D52-A): length 4.5
  Top w0.2: SW52.2 203.99,51.8 D52.2
Net-(D53-A): length 4.5
  Top w0.2: D53.2 195.01,32.81 SW53.2
Net-(D54-A): length 6.8
  Top w0.2: SW54.2 198.99,13.8 D54.2
Net-(D55-A): length 4.5
  Top w0.2: D55.2 209.49,112.8 SW55.2
Net-(D56-A): length 4.5
  Top w0.2: SW56.2 205.01,89.81 D56.2
Net-(D57-A): length 4.5
  Top w0.2: SW57.2 218.49,70.8 D57.2
Net-(D58-A): length 4.5
  Top w0.2: SW58.2 218.51,51.81 D58.2
Net-(D59-A): length 4.5
  Top w0.2: SW59.2 214.01,32.81 D59.2
Net-(D60-A): length 6.8
  Top w0.2: SW60.2 215.76,13.81 D60.2
Net-(D61-A): length 4.5
  Top w0.2: D61.2 228.49,112.8 SW61.2
Net-(D62-A): length 4.5
  Top w0.2: D62.2 228.49,89.8 SW62.2
Net-(D63-A): length 4.5
  Top w0.2: D63.2 237.49,70.8 SW63.2
Net-(D64-A): length 4.5
  Top w0.2: D64.2 241.99,51.8 SW64.2
Net-(D65-A): length 4.5
  Top w0.2: SW65.2 233.01,32.81 D65.2
Net-(D66-A): length 6.8
  Top w0.2: D66.2 245.99,13.8 SW66.2
Net-(D67-A): length 4.5
  Top w0.2: SW67.2 247.49,112.8 D67.2
Net-(D68-A): length 4.5
  Top w0.2: SW68.2 243.01,89.81 D68.2
Net-(D69-A): length 4.5
  Top w0.2: D69.2 252.01,70.81 SW69.2
Net-(D70-A): length 4.5
  Top w0.2: SW70.2 260.99,51.8 D70.2
Net-(D71-A): length 9
  Top w0.2: D71.2 265.49,32.8 SW71.2
Net-(D72-A): length 4.5
  Top w0.2: D72.2 261.51,13.81 SW72.2
Net-(D73-A): length 4.5
  Top w0.2: D73.2 266.49,112.8 SW73.2
Net-(D74-A): length 4.5
  Top w0.2: SW74.2 266.49,89.8 D74.2
Net-(D75-A): length 7
  Top w0.2: SW75.2 284.99,62.3 D75.2
Net-(D76-A): length 4.5
  Top w0.2: D76.2 284.99,32.8 SW76.2
Net-(D77-A): length 4.5
  Top w0.2: SW77.2 280.51,13.81 D77.2
Net-(D78-A): length 4.5
  Top w0.2: D78.2 285.49,89.8 SW78.2
Net-(D79-A): length 6.4
  Top w0.2: D79.2 298.31,91.49 SW79.2
Net-(D80-A): length 6.9
  Top w0.2: SW80.2 297.12,73.68 D80.2
Net-(D81-A): length 6.9
  Top w0.2: SW81.2 297.12,54.68 D81.2
Net-(D82-A): length 6.9
  Top w0.2: D82.2 297.12,35.68 SW82.2
Net-(D83-A): length 6.7
  Top w0.2: D83.2 297.12,16.18 SW83.2
Net-(SW84-B): length 10.6
  Top w0.2: SW84.2 J1.1

## Copper pours and planes (outline as drawn; the poured copper is in the pictures)
GND on Top: 304.5,119.5 0,119.5 0,0 304.5,0
GND on Bottom: 304.5,119.5 0,119.5 0,0 304.5,0

## Text on the board
B.Silkscreen: JLCJLCJLCJLC
User.Eco1: AC_K1_v1
F.Silkscreen: JLCJLCJLCJLC
